# KiCad board berlin.kicad_pcb (continued)
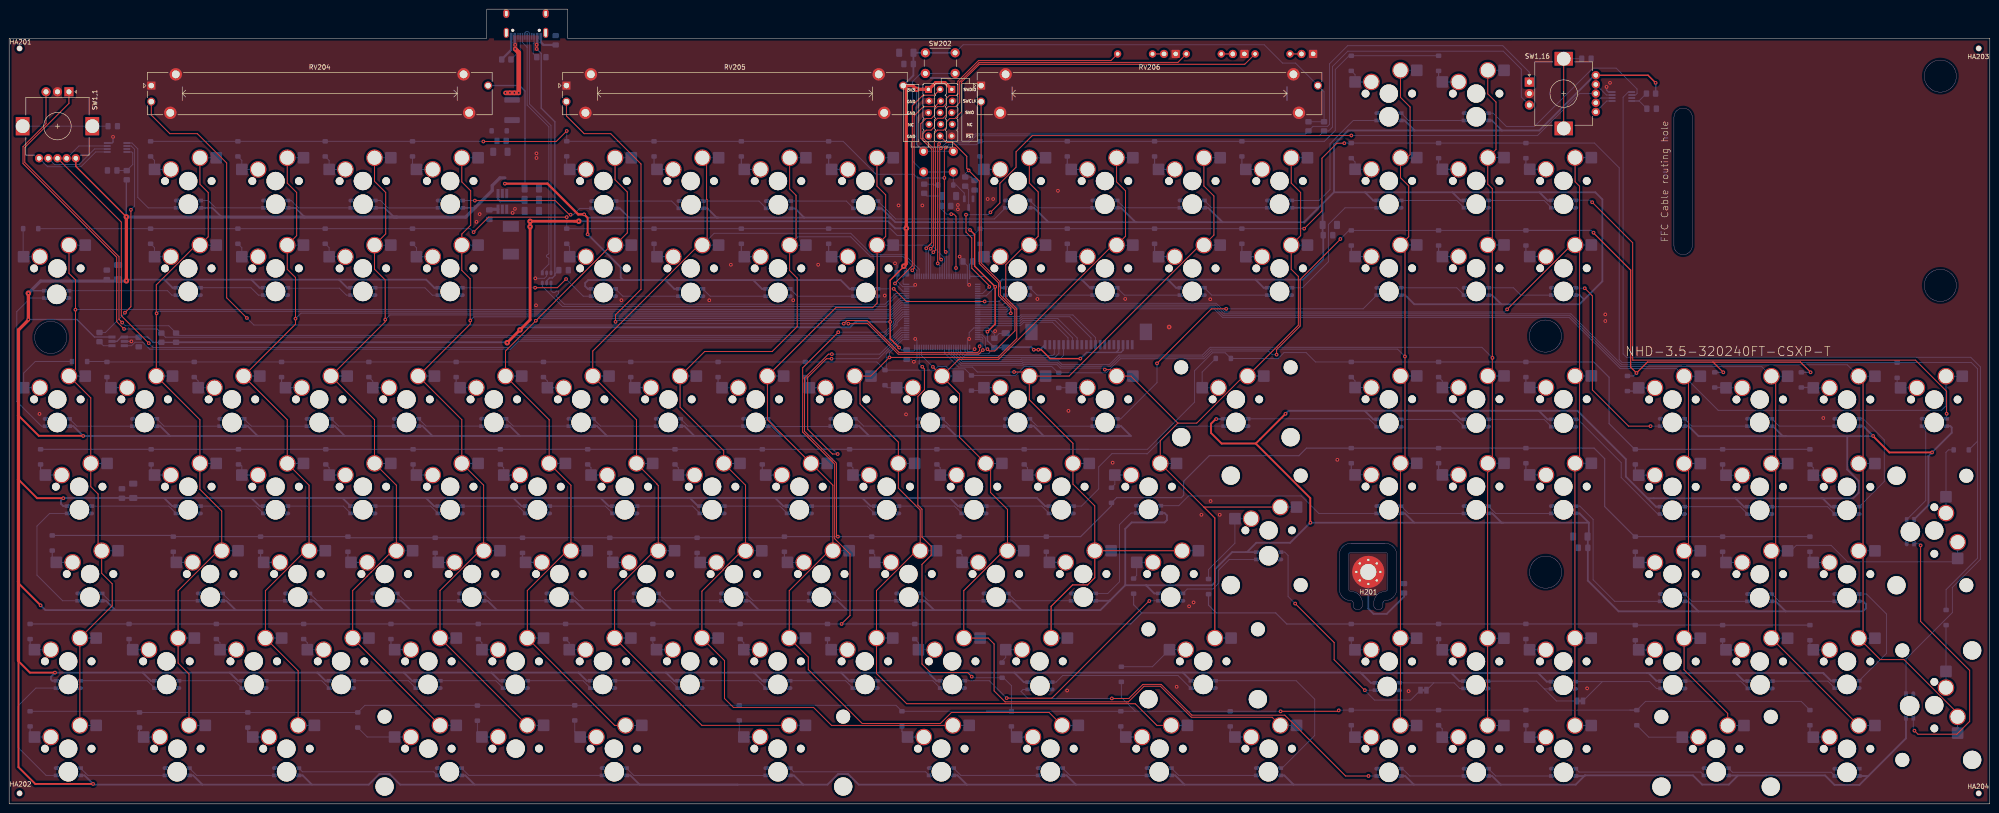
[diagram p0: board, top side]
## Placement (name value [footprint] x y rotation side) (continued)
R705  5.1k  [R_0805_2012Metric_Pad1.20x1.40mm_HandSolder]  116.13 162.89 180 bottom
R706  5.1k  [R_0805_2012Metric_Pad1.20x1.40mm_HandSolder]  108.48 162.38 180 bottom
R711  330k 1%  [R_0805_2012Metric_Pad1.20x1.40mm_HandSolder]  199.67 134.19 90 bottom
RV204  -  [Potentiometer_Bourns_PTA6043_Single_Slide]  31.01 156.69 0 top
RV205  -  [Potentiometer_Bourns_PTA6043_Single_Slide]  121.59 156.69 0 top
RV206  -  [Potentiometer_Bourns_PTA6043_Single_Slide]  212.08 156.69 0 top
SW1,1  RotaryEncoder_x15141-Switch_RGB  [RotaryEncoder_Switch_RGB]  13.04 155.33 270 top
SW1,2  MXSwitch  [MX100H]  39.08 135.86 180 bottom
SW1,3  MXSwitch  [MX100H]  58.13 135.86 180 bottom
SW1,4  MXSwitch  [MX100H]  77.18 135.86 180 bottom
SW1,5  MXSwitch  [MX100H]  96.23 135.86 180 bottom
SW1,6  MXSwitch  [MX100H]  129.67 135.86 180 bottom
SW1,7  MXSwitch  [MX100H]  148.72 135.86 180 bottom
SW1,8  MXSwitch  [MX100H]  167.77 135.86 180 bottom
SW1,9  MXSwitch  [MX100H]  186.82 135.86 180 bottom
SW1,10  MXSwitch  [MX100H]  220.06 135.86 180 bottom
SW1,11  MXSwitch  [MX100H]  239.11 135.86 180 bottom
SW1,12  MXSwitch  [MX100H]  258.16 135.86 180 bottom
SW1,13  MXSwitch  [MX100H]  277.21 135.86 180 bottom
SW1,14  MXSwitch  [MX100H]  301.05 154.94 180 bottom
SW1,15  MXSwitch  [MX100H]  320.1 154.94 180 bottom
SW1,16  RotaryEncoder_x15141-Switch_RGB  [RotaryEncoder_Switch_RGB]  331.71 157.44 0 top
SW2,1  MXSwitch  [MX100H]  10.51 116.81 180 bottom
SW2,2  MXSwitch  [MX100H]  39.08 116.81 180 bottom
SW2,3  MXSwitch  [MX100H]  58.13 116.81 180 bottom
SW2,4  MXSwitch  [MX100H]  77.18 116.81 180 bottom
SW2,5  MXSwitch  [MX100H]  96.24 116.81 180 bottom
SW2,6  MXSwitch  [MX100H]  129.67 116.81 180 bottom
SW2,7  MXSwitch  [MX100H]  148.72 116.81 180 bottom
SW2,8  MXSwitch  [MX100H]  167.77 116.81 180 bottom
SW2,9  MXSwitch  [MX100H]  186.82 116.81 180 bottom
SW2,10  MXSwitch  [MX100H]  220.06 116.81 180 bottom
SW2,11  MXSwitch  [MX100H]  239.11 116.81 180 bottom
SW2,12  MXSwitch  [MX100H]  258.16 116.81 180 bottom
SW2,13  MXSwitch  [MX100H]  277.21 116.81 180 bottom
SW2,14  MXSwitch  [MX100H]  301.05 135.89 180 bottom
SW2,15  MXSwitch  [MX100H]  320.1 135.89 180 bottom
SW2,16  MXSwitch  [MX100H]  339.15 135.89 180 bottom
SW2,17  MXSwitch  [MX100H]  420.08 88.2 180 bottom
SW2,18  MXSwitch  [MX200H]  420.08 59.63 90 bottom
SW2,19  2,19  [MX200HR]  420.08 21.53 90 bottom
SW3,1  MXSwitch  [MX100H]  10.51 88.23 180 bottom
SW3,2  MXSwitch  [MX100H]  29.56 88.23 180 bottom
SW3,3  MXSwitch  [MX100H]  48.61 88.23 180 bottom
SW3,4  MXSwitch  [MX100H]  67.66 88.23 180 bottom
SW3,5  MXSwitch  [MX100H]  86.71 88.23 180 bottom
SW3,6  MXSwitch  [MX100H]  105.76 88.23 180 bottom
SW3,7  MXSwitch  [MX100H]  124.81 88.23 180 bottom
SW3,8  MXSwitch  [MX100H]  143.86 88.23 180 bottom
SW3,9  MXSwitch  [MX100H]  162.91 88.23 180 bottom
SW3,10  MXSwitch  [MX100H]  181.96 88.23 180 bottom
SW3,11  MXSwitch  [MX100H]  201.01 88.23 180 bottom
SW3,12  MXSwitch  [MX100H]  220.06 88.23 180 bottom
SW3,13  MXSwitch  [MX100H]  239.11 88.23 180 bottom
SW3,14  MXSwitch  [MX100H]  301.05 116.84 180 bottom
SW3,15  MXSwitch  [MX100H]  320.1 116.84 180 bottom
SW3,16  MXSwitch  [MX100H]  339.15 116.84 180 bottom
SW3,17  MXSwitch  [MX100H]  362.93 88.2 180 bottom
SW3,18  MXSwitch  [MX100H]  381.98 88.2 180 bottom
SW3,19  MXSwitch  [MX100H]  401.03 88.2 180 bottom
SW4,1  MXSwitch  [MX150H]  15.27 69.18 180 bottom
SW4,2  MXSwitch  [MX100H]  39.08 69.18 180 bottom
SW4,3  MXSwitch  [MX100H]  58.13 69.18 180 bottom
SW4,4  MXSwitch  [MX100H]  77.18 69.18 180 bottom
SW4,5  MXSwitch  [MX100H]  96.23 69.18 180 bottom
SW4,6  MXSwitch  [MX100H]  115.28 69.18 180 bottom
SW4,7  MXSwitch  [MX100H]  134.33 69.18 180 bottom
SW4,8  MXSwitch  [MX100H]  153.38 69.18 180 bottom
SW4,9  MXSwitch  [MX100H]  172.43 69.18 180 bottom
SW4,10  MXSwitch  [MX100H]  191.48 69.18 180 bottom
SW4,11  MXSwitch  [MX100H]  210.53 69.18 180 bottom
SW4,12  MXSwitch  [MX100H]  229.58 69.18 180 bottom
SW4,13  MXSwitch  [MX200H]  267.68 88.23 180 bottom
SW4,14  MXSwitch  [MX100H]  301.05 88.26 180 bottom
SW4,15  MXSwitch  [MX100H]  320.1 88.26 180 bottom
SW4,16  MXSwitch  [MX100H]  339.15 88.26 180 bottom
SW4,17  MXSwitch  [MX100H]  362.93 69.15 180 bottom
SW4,18  MXSwitch  [MX100H]  381.98 69.15 180 bottom
SW4,19  MXSwitch  [MX100H]  401.03 69.15 180 bottom
SW5,1  MXSwitch  [MX175H]  17.65 50.13 180 bottom
SW5,2  MXSwitch  [MX100H]  43.85 50.13 180 bottom
SW5,3  MXSwitch  [MX100H]  62.9 50.13 180 bottom
SW5,4  MXSwitch  [MX100H]  81.95 50.13 180 bottom
SW5,5  MXSwitch  [MX100H]  101 50.13 180 bottom
SW5,6  MXSwitch  [MX100H]  120.05 50.13 180 bottom
SW5,7  MXSwitch  [MX100H]  139.1 50.13 180 bottom
SW5,8  MXSwitch  [MX100H]  158.14 50.11 180 bottom
SW5,9  MXSwitch  [MX100H]  177.2 50.13 180 bottom
SW5,10  MXSwitch  [MX100H]  196.25 50.13 180 bottom
SW5,11  MXSwitch  [MX100H]  215.3 50.13 180 bottom
SW5,12  MXSwitch  [MX100H]  234.35 50.13 180 bottom
SW5,13  MXSwitch  [MX100H]  248.63 69.18 180 bottom
SW5,14  MXSwitch  [MX100H]  301.05 69.21 180 bottom
SW5,15  MXSwitch  [MX100H]  320.1 69.21 180 bottom
SW5,16  MXSwitch  [MX100H]  339.15 69.21 180 bottom
SW5,17  MXSwitch  [MX100H]  362.93 50.1 180 bottom
SW5,18  MXSwitch  [MX100H]  381.98 50.1 180 bottom
SW5,19  MXSwitch  [MX100H]  401.03 50.1 180 bottom
SW6,1  MXSwitch  [MX125H]  12.89 31.08 180 bottom
SW6,2  MXSwitch  [MX100H]  34.32 31.08 180 bottom
SW6,3  MXSwitch  [MX100H]  53.37 31.08 180 bottom
SW6,4  MXSwitch  [MX100H]  72.42 31.08 180 bottom
SW6,5  MXSwitch  [MX100H]  91.47 31.08 180 bottom
SW6,6  MXSwitch  [MX100H]  110.52 31.08 180 bottom
SW6,7  MXSwitch  [MX100H]  129.57 31.08 180 bottom
SW6,8  MXSwitch  [MX100H]  148.62 31.08 180 bottom
SW6,9  MXSwitch  [MX100H]  167.67 31.08 180 bottom
SW6,10  MXSwitch  [MX100H]  186.72 31.08 180 bottom
SW6,11  MXSwitch  [MX100H]  205.77 31.08 180 bottom
SW6,12  MXSwitch  [MX100H]  253.4 50.13 180 bottom
SW6,13  MXSwitch  [MX_ISOEnterH]  274.83 59.66 180 bottom
SW6,14  MXSwitch  [MX100H]  301.03 31.05 180 bottom
SW6,15  MXSwitch  [MX100H]  320.07 31.05 180 bottom
SW6,16  MXSwitch  [MX100H]  339.12 31.06 180 bottom
SW6,17  MXSwitch  [MX100H]  362.93 31.05 180 bottom
SW6,18  MXSwitch  [MX100H]  381.98 31.05 180 bottom
SW6,19  MXSwitch  [MX100H]  401.03 31.05 180 bottom
SW7,1  MXSwitch  [MX125H]  12.89 12.03 180 bottom
SW7,2  MXSwitch  [MX125H]  36.7 12.03 180 bottom
SW7,3  MXSwitch  [MX125H]  60.52 12.03 180 bottom
SW7,4  MXSwitch  [MX100H]  91.47 12.04 180 bottom
SW7,5  MXSwitch  [MX100H]  110.53 12.05 180 bottom
SW7,6  MXSwitch  [MX625H]  131.95 12.03 180 bottom
SW7,7  MXSwitch  [MX100H]  167.67 12.04 180 bottom
SW7,8  MXSwitch  [MX125H]  203.39 12.03 180 bottom
SW7,9  MXSwitch  [MX125H]  227.2 12.03 180 bottom
SW7,10  MXSwitch  [MX125H]  251.02 12.03 180 bottom
SW7,11  MXSwitch  [MX125H]  274.83 12.03 180 bottom
SW7,12  MXSwitch  [MX100H]  224.82 31.08 180 bottom
SW7,13  MXSwitch  [MX275H]  260.54 31.08 180 bottom
SW7,14  MXSwitch  [MX100H]  301.02 12 180 bottom
SW7,15  MXSwitch  [MX100H]  320.07 12 180 bottom
SW7,16  MXSwitch  [MX100H]  339.12 12 180 bottom
SW7,17  MXSwitch  [MX200H]  372.46 12 180 bottom
SW7,18  MXSwitch  [MX100H]  401.03 12 180 bottom
SW201  SW_Push  [SW_PUSH_6mm_H5mm]  206.02 142.34 180 bottom
SW202  SW_Push  [SW_PUSH_6mm_H5mm]  199.92 163.84 0 top
U501  LQFP100  [STM32F072VBT6]  203.58 107.31 180 bottom
U502  SN74LVC1T45DCK  [SOT-23-6_Handsoldering]  23.78 100.89 180 bottom
U701  USBLC6-2SC6  [SOT-23-6]  117.28 114.72 270 bottom
U702  AP63203WU-7  [TSOT-23-6_HandSoldering]  107.62 131.42 270 bottom

## Footprints (pads in the part's own frame, mm; a bottom-side part is the same pattern mirrored in y, then rotated)
C_0805_2012Metric_Pad1.18x1.45mm_HandSolder
  rrect 1.175x1.45 smd: 1(-1.038,0) 2(1.038,0)
C_1206_3216Metric_Pad1.33x1.80mm_HandSolder
  rrect 1.325x1.8 smd: 1(-1.562,0) 2(1.562,0)
Conn_ARM_JTAG_SWD_10_DUAL_SIDE
  rect 1.524x1.524 hole 0.762: 1(-1.206,5.08) 1(3.869,5.08)
  oval 1.524x1.524 hole 0.762: 2(1.333,5.08) 3(-1.333,2.54) 3(3.743,2.54) 4(1.206,2.54) 5(-1.206,0) 5(3.869,0) 6(1.333,0) 7(-1.333,-2.54) 7(3.743,-2.54) 8(1.206,-2.54) 9(-1.206,-5.08) 9(3.869,-5.08) 10(1.333,-5.08)
D_SOD-123
  rrect 1x1.2 smd: 1(-1.65,0) 2(1.65,0)
Fuse_1812_4532Metric_Pad1.30x3.40mm_HandSolder
  rrect 1.3x3.4 smd: 1(-2.225,0) 2(2.225,0)
L_0805_2012Metric_Pad1.15x1.40mm_HandSolder
  rrect 1.15x1.4 smd: 1(-1.025,0) 2(1.025,0)
LED_THT_2.54mm
  round 0.889 smd: (-1.27,0) (1.27,0)
  round 1.778 hole 1.016: A(-1.27,0)
  rrect 1.778x1.778 hole 0.991: K(1.27,0)
MountingHole_3.5mm_Pad_Via
  round 0.8 hole 0.5: 1(-2.625,0) 1(-1.856,1.856) 1(-1.856,-1.856) 1(0,2.625) 1(0,-2.625) 1(1.856,1.856) 1(1.856,-1.856) 1(2.625,0)
  round 7 hole 3.5: 1001(0,0)
MX100H
  round 1.702 hole 1.702 unplated: (-5.08,0) (5.08,0)
  round 3.6 hole 3.048: (-2.54,5.08) (3.81,2.54)
  round 3.988 hole 3.988 unplated: (0,0)
  rrect 2.54x2.54 smd: 1(-6.096,5.08) 2(7.366,2.54)
MX125H
  round 1.702 hole 1.702 unplated: (-5.08,0) (5.08,0)
  round 3.6 hole 3.048: (-2.54,5.08) (3.81,2.54)
  round 3.988 hole 3.988 unplated: (0,0)
  rrect 2.54x2.54 smd: 1(-6.096,5.08) 2(7.366,2.54)
MX150H
  round 1.702 hole 1.702 unplated: (-5.08,0) (5.08,0)
  round 3.6 hole 3.048: (-2.54,5.08) (3.81,2.54)
  round 3.988 hole 3.988 unplated: (0,0)
  rrect 2.54x2.54 smd: 1(-6.096,5.08) 2(7.366,2.54)
MX175H
  round 1.702 hole 1.702 unplated: (-5.08,0) (5.08,0)
  round 3.6 hole 3.048: (-2.54,5.08) (3.81,2.54)
  round 3.988 hole 3.988 unplated: (0,0)
  rrect 2.54x2.54 smd: 1(-6.096,5.08) 2(7.366,2.54)
MX200H
  round 3.988 hole 3.988 unplated: (-11.938,-8.255) (0,0) (11.938,-8.255)
  round 3.048 hole 3.048 unplated: (-11.938,6.985) (11.938,6.985)
  round 1.702 hole 1.702 unplated: (-5.08,0) (5.08,0)
  round 3.6 hole 3.048: (-2.54,5.08) (3.81,2.54)
  rrect 2.54x2.54 smd: 1(-6.096,5.08) 2(7.366,2.54)
MX200HR
  round 3.048 hole 3.048 unplated: (-11.938,-6.985) (11.938,-6.985)
  round 3.988 hole 3.988 unplated: (-11.938,8.255) (0,0) (11.938,8.255)
  round 1.702 hole 1.702 unplated: (-5.08,0) (5.08,0)
  round 3.6 hole 3.048: (-2.54,5.08) (3.81,2.54)
  rrect 2.54x2.54 smd: 1(-6.096,5.08) 2(7.366,2.54)
MX275H
  round 3.988 hole 3.988 unplated: (-11.938,-8.255) (0,0) (11.938,-8.255)
  round 3.048 hole 3.048 unplated: (-11.938,6.985) (11.938,6.985)
  round 1.702 hole 1.702 unplated: (-5.08,0) (5.08,0)
  round 3.6 hole 3.048: (-2.54,5.08) (3.81,2.54)
  rrect 2.54x2.54 smd: 1(-6.096,5.08) 2(7.366,2.54)
MX625H
  round 3.988 hole 3.988 unplated: (-50.038,-8.255) (0,0) (50.038,-8.255)
  round 3.048 hole 3.048 unplated: (-50.038,6.985) (50.038,6.985)
  round 1.702 hole 1.702 unplated: (-5.08,0) (5.08,0)
  round 3.6 hole 3.048: (-2.54,5.08) (3.81,2.54)
  rrect 2.54x2.54 smd: 1(-6.096,5.08) 2(7.366,2.54)
MX_ISOEnterH
  round 3.048 hole 3.048 unplated: (-6.985,-11.938) (-6.985,11.938)
  round 1.702 hole 1.702 unplated: (-5.08,0) (5.08,0)
  round 3.6 hole 3.048: (-2.54,5.08) (3.81,2.54)
  round 3.988 hole 3.988 unplated: (0,0) (8.255,-11.938) (8.255,11.938)
  rrect 2.54x2.54 smd: 1(-6.096,5.08) 2(7.366,2.54)
Potentiometer_Bourns_PTA6043_Single_Slide
  rect 1.75x1.75 hole 1.2: 1(0,0)
  round 1.75 hole 1.2: 2(0,-3.5) 3(73.5,0)
  round 2.7 hole 1.7: MP(4.15,-5.95) MP(5.35,2.45) MP(68.15,2.45) MP(69.35,-5.95)
R_0805_2012Metric_Pad1.20x1.40mm_HandSolder
  rrect 1.2x1.4 smd: 1(-1,0) 2(1,0)
R_Axial_DIN0207_L6.3mm_D2.5mm_P7.62mm_Horizontal
  round 1.6 hole 0.8: 1(0,0)
  oval 1.6x1.6 hole 0.8: 2(7.62,0)
RotaryEncoder_Switch_RGB
  round 1.8 hole 1: +(14.5,1.5) B(14.5,-0.5) G(14.5,-4.5) R(14.5,-6.5) SW(14.5,-2.5)
  rect 2x2 hole 1.1: A(0,0)
  round 2 hole 1.1: B(0,-5) C(0,-2.5)
  rect 4x3 hole 3: MP(7.5,5.1) MP(7.5,-10.1)
SK6812MINI_3535_6028_3.2x2.8mm_Round
  round 4.25 hole 4.25 unplated: (0,0)
  custom 1.215x0.803 smd: 1(2.667,0.8) 2(2.642,-0.8) 4(-2.642,0.8)
  custom 1.225x0.85 smd: 3(-2.565,-0.8)
SolderJumper-2_P1.3mm_Bridged_Pad1.0x1.5mm
  rect 1x1.5 smd: 1(-0.65,0) 2(0.65,0)
SOT-23
  rrect 1.475x0.6 smd: 1(-0.938,0.95) 2(-0.938,-0.95) 3(0.938,0)
SOT-23-6
  rect 1.06x0.65 smd: 1(-1.1,0.95)
  rrect 1.06x0.65 smd: 2(-1.1,0) 3(-1.1,-0.95) 4(1.1,-0.95) 5(1.1,0) 6(1.1,0.95)
SOT-23-6_Handsoldering
  rect 1.56x0.65 smd: 1(-1.35,0.95) 2(-1.35,0) 3(-1.35,-0.95) 4(1.35,-0.95) 5(1.35,0) 6(1.35,0.95)
STM32F072VBT6
  rect 1.194x0.305 smd: 1(-7.75,6) 2(-7.75,5.5) 3(-7.75,5) 4(-7.75,4.5) 5(-7.75,4) 6(-7.75,3.5) 7(-7.75,3) 8(-7.75,2.5) 9(-7.75,2) 10(-7.75,1.5) 11(-7.75,1) 12(-7.75,0.5) 13(-7.75,0) 14(-7.75,-0.5) 15(-7.75,-1) 16(-7.75,-1.5) 17(-7.75,-2) 18(-7.75,-2.5) 19(-7.75,-3) 20(-7.75,-3.5) 21(-7.75,-4) 22(-7.75,-4.5) 23(-7.75,-5) 24(-7.75,-5.5) 25(-7.75,-6) 51(7.75,-6) 52(7.75,-5.5) 53(7.75,-5) 54(7.75,-4.5) 55(7.75,-4) 56(7.75,-3.5) 57(7.75,-3) 58(7.75,-2.5) 59(7.75,-2) 60(7.75,-1.5) 61(7.75,-1) 62(7.75,-0.5) 63(7.75,0) 64(7.75,0.5) 65(7.75,1) 66(7.75,1.5) 67(7.75,2) 68(7.75,2.5) 69(7.75,3) 70(7.75,3.5) 71(7.75,4) 72(7.75,4.5) 73(7.75,5) 74(7.75,5.5) 75(7.75,6)
  rect 0.305x1.194 smd: 26(-6,-7.75) 27(-5.5,-7.75) 28(-5,-7.75) 29(-4.5,-7.75) 30(-4,-7.75) 31(-3.5,-7.75) 32(-3,-7.75) 33(-2.5,-7.75) 34(-2,-7.75) 35(-1.5,-7.75) 36(-1,-7.75) 37(-0.5,-7.75) 38(0,-7.75) 39(0.5,-7.75) 40(1,-7.75) 41(1.5,-7.75) 42(2,-7.75) 43(2.5,-7.75) 44(3,-7.75) 45(3.5,-7.75) 46(4,-7.75) 47(4.5,-7.75) 48(5,-7.75) 49(5.5,-7.75) 50(6,-7.75) 76(6,7.75) 77(5.5,7.75) 78(5,7.75) 79(4.5,7.75) 80(4,7.75) 81(3.5,7.75) 82(3,7.75) 83(2.5,7.75) 84(2,7.75) 85(1.5,7.75) 86(1,7.75) 87(0.5,7.75) 88(0,7.75) 89(-0.5,7.75) 90(-1,7.75) 91(-1.5,7.75) 92(-2,7.75) 93(-2.5,7.75) 94(-3,7.75) 95(-3.5,7.75) 96(-4,7.75) 97(-4.5,7.75) 98(-5,7.75) 99(-5.5,7.75) 100(-6,7.75)
Sumida0624CDMCC
  rect 2.35x3.5 smd: 1(-3.025,0) 2(3.025,0)
SW_PUSH_6mm_H5mm
  round 2 hole 1.1: 1(0,0) 1(6.5,0) 2(0,-4.5) 2(6.5,-4.5)
TE_2-84953-0_1x20-1MP_P1.0mm_Horizontal
  rect 0.61x2 smd: 1(-9.5,1.8) 2(-8.5,1.8) 3(-7.5,1.8) 4(-6.5,1.8) 5(-5.5,1.8) 6(-4.5,1.8) 7(-3.5,1.8) 8(-2.5,1.8) 9(-1.5,1.8) 10(-0.5,1.8) 11(0.5,1.8) 12(1.5,1.8) 13(2.5,1.8) 14(3.5,1.8) 15(4.5,1.8) 16(5.5,1.8) 17(6.5,1.8) 18(7.5,1.8) 19(8.5,1.8) 20(9.5,1.8)
  rect 2.68x3.6 smd: MP(-12.49,-1) MP(12.49,-1)
ToolingHole_1.152mm_(for_JLCPCB_SMT)
  round 1.3 hole 1.152 unplated: (0,0)
TSOT-23-6_HandSoldering
  rect 2x0.65 smd: 1(-1.71,0.95) 2(-1.71,0) 3(-1.71,-0.95) 4(1.71,-0.95) 5(1.71,0) 6(1.71,0.95)
TYPE-C-31-M-12
  round 0.65 hole 0.65 unplated: (-2.89,-2.051) (2.89,-2.051)
  rrect 0.6x1.45 smd: A1(-3.25,-0.725) A4(-2.45,-0.725) B1(3.25,-0.725) B4(2.45,-0.725)
  rrect 0.3x1.45 smd: A5(-1.25,-0.725) A6(-0.254,-0.725) A7(0.25,-0.725) A8(1.25,-0.725) B5(1.75,-0.725) B6(0.75,-0.725) B7(-0.75,-0.725) B8(-1.75,-0.725)
  oval 1.3x1.9 hole 0.6x1.2: S(-4.3,-5.7) S(4.3,-5.7)
  oval 1.1x2.2 hole 0.6x1.7: S(-4.3,-1.5) S(4.3,-1.5)
WS2811S
  rect 1.487x0.431 smd: 1(-2.134,0.975) 2(-2.134,0.325) 3(-2.134,-0.325) 4(-2.134,-0.975) 5(2.134,-0.975) 6(2.134,-0.325) 7(2.134,0.325) 8(2.134,0.975)

## Nets
+3V3: C704.1 C705.1 C706.1 C707.1 C708.1 C709.1 C710.1 C712.2 C717.1 C718.1 C719.1 J202.1 J203.1 J203.17 J203.18 L701.2 R302.2 R303.2 R304.2 R305.2 RV204.3 RV205.3 RV206.3 SW201.1 SW202.1 U501.6 U501.21 U501.28 U501.50 U501.75 U501.100 U502.1 U502.5 U702.1
+5V: C701.1 C720.1 C721.1 C722.1 C723.1 C724.1 C725.1 C726.1 C727.1 D701.1 F701.1 LED1,2.1 LED1,3.1 LED1,4.1 LED1,5.1 LED1,6.1 LED1,7.1 LED1,8.1 LED1,9.1 LED1,10.1 LED1,11.1 LED1,12.1 LED1,13.1 LED1,14.1 LED1,15.1 LED2,1.1 LED2,2.1 LED2,3.1 LED2,4.1 LED2,5.1 LED2,6.1 LED2,7.1 LED2,8.1 LED2,9.1 LED2,10.1 LED2,11.1 LED2,12.1 LED2,13.1 LED2,14.1 LED2,15.1 LED2,16.1 LED2,17.1 LED2,18.1 LED2,19.1 LED3,1.1 LED3,2.1 LED3,3.1 LED3,4.1 LED3,5.1 LED3,6.1 LED3,7.1 LED3,8.1 LED3,9.1 LED3,10.1 LED3,11.1 LED3,12.1 LED3,13.1 LED3,14.1 LED3,15.1 LED3,16.1 LED3,17.1 LED3,18.1 LED3,19.1 LED4,1.1 LED4,2.1 LED4,3.1 LED4,4.1 LED4,5.1 LED4,6.1 LED4,7.1 LED4,8.1 LED4,9.1 LED4,10.1 LED4,11.1 LED4,12.1 LED4,13.1 LED4,14.1 LED4,15.1 LED4,16.1 LED4,17.1 LED4,18.1 LED4,19.1 LED5,1.1 LED5,2.1 LED5,3.1 LED5,4.1 LED5,5.1 LED5,6.1 LED5,7.1 LED5,8.1 LED5,9.1 LED5,10.1 LED5,11.1 LED5,12.1 LED5,13.1 LED5,14.1 LED5,15.1 LED5,16.1 LED5,17.1 LED5,18.1 LED5,19.1 LED6,1.1 LED6,2.1 LED6,3.1 LED6,4.1 LED6,5.1 LED6,6.1 LED6,7.1 LED6,8.1 LED6,9.1 LED6,10.1 LED6,11.1 LED6,12.1 LED6,13.1 LED6,14.1 LED6,15.1 LED6,16.1 LED6,17.1 LED6,18.1 LED6,19.1 LED7,1.1 LED7,2.1 LED7,3.1 LED7,5.1 LED7,6.1 LED7,7.1 LED7,8.1 LED7,9.1 LED7,10.1 LED7,11.1 LED7,12.1 LED7,13.1 LED7,14.1 LED7,15.1 LED7,16.1 LED7,17.1 LED7,18.1 R101.1 R102.1 R701.2 SW1,1.+ SW1,16.+ U502.6 U702.2 U702.3
GND: C101.2 C102.2 C701.2 C704.2 C705.2 C706.2 C707.2 C708.2 C709.2 C710.2 C711.2 C712.1 C714.2 C715.2 C717.2 C718.2 C719.2 C720.2 C721.2 C722.2 C723.2 C724.2 C725.2 C726.2 C727.2 D701.2 J201.A1 J201.B1 J202.3 J202.5 J202.9 J203.2 J203.19 J203.20 L1.1 L2.1 L702.2 L711.1 LED1,1.4 LED1,2.3 LED1,3.3 LED1,4.3 LED1,5.3 LED1,6.3 LED1,7.3 LED1,8.3 LED1,9.3 LED1,10.3 LED1,11.3 LED1,12.3 LED1,13.3 LED1,14.3 LED1,15.3 LED1,16.4 LED2,1.3 LED2,2.3 LED2,3.3 LED2,4.3 LED2,5.3 LED2,6.3 LED2,7.3 LED2,8.3 LED2,9.3 LED2,10.3 LED2,11.3 LED2,12.3 LED2,13.3 LED2,14.3 LED2,15.3 LED2,16.3 LED2,17.3 LED2,18.3 LED2,19.3 LED3,1.3 LED3,2.3 LED3,3.3 LED3,4.3 LED3,5.3 LED3,6.3 LED3,7.3 LED3,8.3 LED3,9.3 LED3,10.3 LED3,11.3 LED3,12.3 LED3,13.3 LED3,14.3 LED3,15.3 LED3,16.3 LED3,17.3 LED3,18.3 LED3,19.3 LED4,1.3 LED4,2.3 LED4,3.3 LED4,4.3 LED4,5.3 LED4,6.3 LED4,7.3 LED4,8.3 LED4,9.3 LED4,10.3 LED4,11.3 LED4,12.3 LED4,13.3 LED4,14.3 LED4,15.3 LED4,16.3 LED4,17.3 LED4,18.3 LED4,19.3 LED5,1.3 LED5,2.3 LED5,3.3 LED5,4.3 LED5,5.3 LED5,6.3 LED5,7.3 LED5,8.3 LED5,9.3 LED5,10.3 LED5,11.3 LED5,12.3 LED5,13.3 LED5,14.3 LED5,15.3 LED5,16.3 LED5,17.3 LED5,18.3 LED5,19.3 LED6,1.3 LED6,2.3 LED6,3.3 LED6,4.3 LED6,5.3 LED6,6.3 LED6,7.3 LED6,8.3 LED6,9.3 LED6,10.3 LED6,11.3 LED6,12.3 LED6,13.3 LED6,14.3 LED6,15.3 LED6,16.3 LED6,17.3 LED6,18.3 LED6,19.3 LED7,1.3 LED7,2.3 LED7,3.3 LED7,5.3 LED7,6.3 LED7,7.3 LED7,8.3 LED7,9.3 LED7,10.3 LED7,11.3 LED7,12.3 LED7,13.3 LED7,14.3 LED7,15.3 LED7,16.3 LED7,17.3 LED7,18.3 LED201.K LED202.K LED203.K Q701.2 R701.1 R702.1 R705.1 R706.2 RV204.1 RV204.MP RV205.1 RV205.MP RV206.1 RV206.MP SW1,1.C SW1,16.C U501.20 U501.27 U501.49 U501.74 U501.99 U502.2 U701.2 U702.4
PV1: RV204.2 U501.25
PV2: RV205.2 U501.24
PV3: RV206.2 U501.23
VBUS: C714.1 F701.2 J201.A4 J201.B4 U701.5
/C101-Pad1: C101.1 LED1,1.8 R101.2
/C102-Pad1: C102.1 LED1,16.8 R102.2
BOOT0: C715.1 R702.2 R711.1 U501.94
BST: C703.1 U702.6
CC1: J201.A5 R706.1
CC2: J201.B5 R705.2
Chassis: H201.1 H201.1001 L711.2
Col1: SW2,1. SW2,1.1 SW3,1. SW3,1.1 SW4,1. SW4,1.1 SW5,1. SW5,1.1 SW6,1. SW6,1.1 SW7,1. SW7,1.1 U501.69
Col2: SW1,2. SW1,2.1 SW2,2. SW2,2.1 SW3,2. SW3,2.1 SW4,2. SW4,2.1 SW5,2. SW5,2.1 SW6,2. SW6,2.1 SW7,2. SW7,2.1 U501.68
Col3: SW1,3. SW1,3.1 SW2,3. SW2,3.1 SW3,3. SW3,3.1 SW4,3. SW4,3.1 SW5,3. SW5,3.1 SW6,3. SW6,3.1 SW7,3. SW7,3.1 U501.67
Col4: SW1,4. SW1,4.1 SW2,4. SW2,4.1 SW3,4. SW3,4.1 SW4,4. SW4,4.1 SW5,4. SW5,4.1 SW6,4. SW6,4.1 SW7,4. SW7,4.1 U501.66
Col5: SW1,5. SW1,5.1 SW2,5. SW2,5.1 SW3,5. SW3,5.1 SW4,5. SW4,5.1 SW5,5. SW5,5.1 SW6,5. SW6,5.1 SW7,5. SW7,5.1 U501.65
Col6: SW1,6. SW1,6.1 SW2,6. SW2,6.1 SW3,6. SW3,6.1 SW4,6. SW4,6.1 SW5,6. SW5,6.1 SW6,6. SW6,6.1 SW7,6. SW7,6.1 U501.64
Col7: SW1,7. SW1,7.1 SW2,7. SW2,7.1 SW3,7. SW3,7.1 SW4,7. SW4,7.1 SW5,7. SW5,7.1 SW6,7. SW6,7.1 SW7,7. SW7,7.1 U501.78
Col8: SW1,8. SW1,8.1 SW2,8. SW2,8.1 SW3,8. SW3,8.1 SW4,8. SW4,8.1 SW5,8. SW5,8.1 SW6,8. SW6,8.1 SW7,8. SW7,8.1 U501.77
Col9: SW1,9. SW1,9.1 SW2,9. SW2,9.1 SW3,9. SW3,9.1 SW4,9. SW4,9.1 SW5,9. SW5,9.1 SW6,9. SW6,9.1 SW7,9. SW7,9.1 U501.89
Col10: SW1,10. SW1,10.1 SW2,10. SW2,10.1 SW3,10. SW3,10.1 SW4,10. SW4,10.1 SW5,10. SW5,10.1 SW6,10. SW6,10.1 SW7,10. SW7,10.1 U501.51
Col11: SW1,11. SW1,11.1 SW2,11. SW2,11.1 SW3,11. SW3,11.1 SW4,11. SW4,11.1 SW5,11. SW5,11.1 SW6,11. SW6,11.1 SW7,11. SW7,11.1 U501.47
Col12: SW1,12. SW1,12.1 SW2,12. SW2,12.1 SW3,12. SW3,12.1 SW4,12. SW4,12.1 SW5,12. SW5,12.1 SW6,12. SW6,12.1 SW7,12. SW7,12.1 U501.37
Col13: SW1,13. SW1,13.1 SW2,13. SW2,13.1 SW3,13. SW3,13.1 SW4,13. SW4,13.1 SW5,13. SW5,13.1 SW6,13. SW6,13.1 SW7,13. SW7,13.1 U501.35
Col14: SW1,14. SW1,14.1 SW2,14. SW2,14.1 SW3,14. SW3,14.1 SW4,14. SW4,14.1 SW5,14. SW5,14.1 SW6,14. SW6,14.1 SW7,14. SW7,14.1 U501.34
Col15: SW1,15. SW1,15.1 SW2,15. SW2,15.1 SW3,15. SW3,15.1 SW4,15. SW4,15.1 SW5,15. SW5,15.1 SW6,15. SW6,15.1 SW7,15. SW7,15.1 U501.33
Col16: SW2,16. SW2,16.1 SW3,16. SW3,16.1 SW4,16. SW4,16.1 SW5,16. SW5,16.1 SW6,16. SW6,16.1 SW7,16. SW7,16.1 U501.10
Col17: SW2,17. SW2,17.1 SW3,17. SW3,17.1 SW4,17. SW4,17.1 SW5,17. SW5,17.1 SW6,17. SW6,17.1 SW7,17. SW7,17.1 U501.13
Col18: SW2,18. SW2,18.1 SW3,18. SW3,18.1 SW4,18. SW4,18.1 SW5,18. SW5,18.1 SW6,18. SW6,18.1 SW7,18. SW7,18.1 U501.12
Col19: SW2,19. SW2,19.1 SW3,19. SW3,19.1 SW4,19. SW4,19.1 SW5,19. SW5,19.1 SW6,19. SW6,19.1 U501.11
D+: U501.71 U701.4
D-: U501.70 U701.6
Dbus+: J201.A6 J201.B6 U701.3
Dbus-: J201.A7 J201.B7 U701.1
Interrupt1,1: SW1,1.SW U501.56
Interrupt1,16: SW1,16.SW U501.5
LCD-CS: J203.6 U501.19
LCD-INT: J203.7 U501.18
LCD-PD: J203.8 U501.17
LCD-SPI2: J203.11 U501.16
LCD-SPI3: J203.12 U501.15
NRST: C711.1 J202.10 R703.1 U501.14
RGBLED: U501.55 U502.3
Row1: D8.1 D15.1 D22.1 D28.1 D34.1 D41.1 D47.1 D54.1 D61.1 D68.1 D75.1 D82.1 D89.1 D95.1 U501.90
Row2: D2.1 D9.1 D16.1 D23.1 D29.1 D35.1 D42.1 D48.1 D55.1 D62.1 D69.1 D76.1 D83.1 D90.1 D96.1 D103.1 D108.1 D114.1 D120.1 U501.91
Row3: D3.1 D10.1 D17.1 D24.1 D30.1 D36.1 D43.1 D49.1 D56.1 D63.1 D70.1 D77.1 D84.1 D91.1 D97.1 D104.1 D109.1 D115.1 D121.1 U501.52
Row4: D4.1 D11.1 D18.1 D25.1 D31.1 D37.1 D44.1 D50.1 D57.1 D64.1 D71.1 D78.1 D85.1 D92.1 D98.1 D105.1 D110.1 D116.1 D122.1 U501.53
Row5: D5.1 D12.1 D19.1 D26.1 D32.1 D38.1 D45.1 D51.1 D58.1 D65.1 D72.1 D79.1 D86.1 D93.1 D99.1 D106.1 D111.1 D117.1 D123.1 U501.54
Row6: D6.1 D13.1 D20.1 D27.1 D33.1 D39.1 D46.1 D52.1 D59.1 D66.1 D73.1 D80.1 D87.1 D100.1 D112.1 D118.1 D124.1 D128.1 D129.1 U501.63
Row7: D7.1 D14.1 D21.1 D40.1 D53.1 D60.1 D67.1 D74.1 D81.1 D88.1 D94.1 D101.1 D107.1 D113.1 D119.1 D125.1 D126.1 D127.1 U501.48
S: J201.S L702.1
SBU1: J201.A8
SBU2: J201.B8
SW: C703.2 L701.1 U702.5
SWCLK: J202.4 U501.76
SWDIO: J202.2 U501.72

Pads without a net: D2 2; D3 2; D4 2; D5 2; D6 2; D7 2; D8 2; D9 2; D10 2; D11 2; D12 2; D13 2; D14 2; D15 2; D16 2; D17 2; D18 2; D19 2; D20 2; D21 2; D22 2; D23 2; D24 2; D25 2; D26 2; D27 2; D28 2; D29 2; D30 2; D31 2; D32 2; D33 2; D34 2; D35 2; D36 2; D37 2; D38 2; D39 2; D40 2; D41 2; D42 2; D43 2; D44 2; D45 2; D46 2; D47 2; D48 2; D49 2; D50 2; D51 2; D52 2; D53 2; D54 2; D55 2; D56 2; D57 2; D58 2; D59 2; D60 2; D61 2; D62 2; D63 2; D64 2; D65 2; D66 2; D67 2; D68 2; D69 2; D70 2; D71 2; D72 2; D73 2; D74 2; D75 2; D76 2; D77 2; D78 2; D79 2; D80 2; D81 2; D82 2; D83 2; D84 2; D85 2; D86 2; D87 2; D88 2; D89 2; D90 2; D91 2; D92 2; D93 2; D94 2; D95 2; D96 2; D97 2; D98 2; D99 2; D100 2; D101 2; D103 2; D104 2; D105 2; D106 2; D107 2; D108 2; D109 2; D110 2; D111 2; D112 2; D113 2; D114 2; D115 2; D116 2; D117 2; D118 2; D119 2; D120 2; D121 2; D122 2; D123 2; D124 2; D125 2; D126 2; D127 2; D128 2; D129 2; D703 1 2; J202 6 7 8; J203 3 4 5 9 10 13 14 15 16 MP; JMP6,14 1 2; JMP6,16 1 2; L1 2; L2 2; LED1,1 1 2 3 5 6 7; LED1,2 2 4; LED1,3 2 4; LED1,4 2 4; LED1,5 2 4; LED1,6 2 4; LED1,7 2 4; LED1,8 2 4; LED1,9 2 4; LED1,10 2 4; LED1,11 2 4; LED1,12 2 4; LED1,13 2 4; LED1,14 2 4; LED1,15 2 4; LED1,16 1 2 3 5 6 7; LED2,1 2 4; LED2,2 2 4; LED2,3 2 4; LED2,4 2 4; LED2,5 2 4; LED2,6 2 4; LED2,7 2 4; LED2,8 2 4; LED2,9 2 4; LED2,10 2 4; LED2,11 2 4; LED2,12 2 4; LED2,13 2 4; LED2,14 2 4; LED2,15 2 4; LED2,16 2 4; LED2,17 2 4; LED2,18 2 4; LED2,19 2 4; LED3,1 2 4; LED3,2 2 4; LED3,3 2 4; LED3,4 2 4; LED3,5 2 4; LED3,6 2 4; LED3,7 2 4; LED3,8 2 4; LED3,9 2 4; LED3,10 2 4; LED3,11 2 4; LED3,12 2 4; LED3,13 2 4; LED3,14 2 4; LED3,15 2 4; LED3,16 2 4; LED3,17 2 4; LED3,18 2 4; LED3,19 2 4; LED4,1 2 4; LED4,2 2 4; LED4,3 2 4; LED4,4 2 4; LED4,5 2 4; LED4,6 2 4; LED4,7 2 4; LED4,8 2 4; LED4,9 2 4; LED4,10 2 4; LED4,11 2 4; LED4,12 2 4; LED4,13 2 4; LED4,14 2 4; LED4,15 2 4; LED4,16 2 4; LED4,17 2 4; LED4,18 2 4; LED4,19 2 4; LED5,1 2 4; LED5,2 2 4; LED5,3 2 4; LED5,4 2 4; LED5,5 2 4; LED5,6 2 4; LED5,7 2 4; LED5,8 2 4; LED5,9 2 4; LED5,10 2 4; LED5,11 2 4; LED5,12 2 4; LED5,13 2 4; LED5,14 2 4; LED5,15 2 4; LED5,16 2 4; LED5,17 2 4; LED5,18 2 4; LED5,19 2 4; LED6,1 2 4; LED6,2 2 4; LED6,3 2 4; LED6,4 2 4; LED6,5 2 4; LED6,6 2 4; LED6,7 2 4; LED6,8 2 4; LED6,9 2 4; LED6,10 2 4; LED6,11 2 4; LED6,12 2 4; LED6,13 2 4; LED6,14 2 4; LED6,15 2 4; LED6,16 2 4; LED6,17 2 4; LED6,18 2 4; LED6,19 2 4; LED7,1 2 4; LED7,2 2 4; LED7,3 2 4; LED7,5 2 4; LED7,6 2 4; LED7,7 2 4; LED7,8 2 4; LED7,9 2 4; LED7,10 2 4; LED7,11 2 4; LED7,12 2 4; LED7,13 2 4; LED7,14 2 4; LED7,15 2 4; LED7,16 2 4; LED7,17 2 4; LED7,18 2 4; LED201 A; LED202 A; LED203 A; Q701 1 3; R301 1 2; R302 1; R303 1; R304 1; R305 1; R306 1 2; R307 1 2; R308 1 2; R703 2; R711 2; SW1,1 A B G MP R; SW1,2 2; SW1,3 2; SW1,4 2; SW1,5 2; SW1,6 2; SW1,7 2; SW1,8 2; SW1,9 2; SW1,10 2; SW1,11 2; SW1,12 2; SW1,13 2; SW1,14 2; SW1,15 2; SW1,16 A B G MP R; SW2,1 2; SW2,2 2; SW2,3 2; SW2,4 2; SW2,5 2; SW2,6 2; SW2,7 2; SW2,8 2; SW2,9 2; SW2,10 2; SW2,11 2; SW2,12 2; SW2,13 2; SW2,14 2; SW2,15 2; SW2,16 2; SW2,17 2; SW2,18 2; SW2,19 2; SW3,1 2; SW3,2 2; SW3,3 2; SW3,4 2; SW3,5 2; SW3,6 2; SW3,7 2; SW3,8 2; SW3,9 2; SW3,10 2; SW3,11 2; SW3,12 2; SW3,13 2; SW3,14 2; SW3,15 2; SW3,16 2; SW3,17 2; SW3,18 2; SW3,19 2; SW4,1 2; SW4,2 2; SW4,3 2; SW4,4 2; SW4,5 2; SW4,6 2; SW4,7 2; SW4,8 2; SW4,9 2; SW4,10 2; SW4,11 2; SW4,12 2; SW4,13 2; SW4,14 2; SW4,15 2; SW4,16 2; SW4,17 2; SW4,18 2; SW4,19 2; SW5,1 2; SW5,2 2; SW5,3 2; SW5,4 2; SW5,5 2; SW5,6 2; SW5,7 2; SW5,8 2; SW5,9 2; SW5,10 2; SW5,11 2; SW5,12 2; SW5,13 2; SW5,14 2; SW5,15 2; SW5,16 2; SW5,17 2; SW5,18 2; SW5,19 2; SW6,1 2; SW6,2 2; SW6,3 2; SW6,4 2; SW6,5 2; SW6,6 2; SW6,7 2; SW6,8 2; SW6,9 2; SW6,10 2; SW6,11 2; SW6,12 2; SW6,13 2; SW6,14 2; SW6,15 2; SW6,16 2; SW6,17 2; SW6,18 2; SW6,19 2; SW7,1 2; SW7,2 2; SW7,3 2; SW7,4 2; SW7,5 2; SW7,6 2; SW7,7 2; SW7,8 2; SW7,9 2; SW7,10 2; SW7,11 2; SW7,12 2; SW7,13 2; SW7,14 2; SW7,15 2; SW7,16 2; SW7,17 2; SW7,18 2; SW201 2; SW202 2; U501 1 2 3 4 7 8 9 22 26 29 30 31 32 36 38 39 40 41 42 43 44 45 46 57 58 59 60 61 62 73 79 80 81 82 83 84 85 86 87 88 92 93 95 96 97 98; U502 4

## Via types
v1: diameter 0.8, hole 0.4, Top to Bottom, 172 vias
v2: diameter 1, hole 0.4, Top to Bottom, 1 via
v3: diameter 1.2, hole 0.4, Top to Bottom, 11 vias

## Routing (per net, layer and track width the routed paths; a pad name or vN(x,y) marks a point on that pad's centre or on a via; arc(x,y) is an arc through that point)
+3V3: length 636.1
  Top w0.3: v1(223.58,99.07) v1(224.57,99.07) 225.21,99.07 227.16,97.12 v1(233.74,97.12) ; v3(195.22,117.29) 195.22,117.19 192.24,114.22 v1(192.24,105.14) 192.24,101.51 v1(194.21,99.54) ; 195.74,126.07 195.77,126.05 v3(195.77,125.54) ; v1(213.47,102.99) 215.15,104.67 215.15,112.77 v1(215.17,112.79) 210.67,117.29 210.67,124.19 v1(209.67,125.19) ; 124.29,127.09 v3(124.3,127.1)
  Top w0.4: v3(113.67,127.06) 113.69,127.09
  Top w0.6: v3(108.67,100.59) v3(111.47,103.39) 113.67,105.59 v3(113.67,125.89) v3(113.67,127.06) ; 113.69,127.09 124.29,127.09
  Top w0.7: 195.74,126.07 195.74,117.82 v3(195.22,117.29) ; J202.1 204.2,157.33 202.17,157.33 200.71,155.87 198.03,155.87 v3(198.02,155.85) 197.18,156.69 RV205.3 195.77,156.02 v3(195.77,125.54)
  Bottom w0.2: SW202.1 208.17,165.59 273.87,165.59 277.87,161.59 280.68,161.59 RV206.3 286.92,155.36 R305.2 R304.2 ; U501.6 213.19,110.82 v1(215.17,112.79) ; U501.28 208.58,98.65 208.96,98.27 213.76,98.27 214.99,99.49 ; 195.83,113.32 195.19,113.32 195.07,113.44 195.07,115 195.79,115.72 ; 210.19,118.31 209.58,117.7 U501.100 209.58,115.06 ; v1(194.21,99.54) 194.73,99.02 195.83,99.02 196.06,98.79 197.37,98.79 197.58,99 197.58,99.56 ; U501.21 213.14,103.31 v1(213.47,102.99) ; SW201.1 SW201.1
  Bottom w0.3: 241.56,98.47 242.06,98.97 J203.17 ; 241.56,98.47 235.09,98.47 v1(233.74,97.12) ; 241.56,98.47 242.59,98.47 243.06,98.94 J203.18 ; SW201.1 198.02,143.84 v3(198.02,155.85) ; v1(209.67,125.19) 209.32,125.54 v3(195.77,125.54) ; U502.5 23.51,100.89 24.46,101.84 U502.1 30.22,101.84 31.39,100.66 36.47,100.66 ; RV204.3 111.37,156.69 112.56,155.5 112.56,134.24 ; 195.79,115.72 195.79,116.71 v3(195.22,117.29) ; v1(215.17,112.79) 212.89,115.06 209.58,115.06 ; v1(213.47,102.99) 213.47,101.01 214.99,99.49 217.32,99.49 217.45,99.62
  Bottom w0.4: J203.1 224.97,99.07 v1(224.57,99.07) ; v3(195.77,125.54) 193.32,125.54 191.77,127.09 124.31,127.09 v3(124.3,127.1) ; v3(108.67,100.59) 108.57,100.69 36.49,100.69 36.47,100.66 ; v3(111.47,103.39) 112.03,103.95 183.48,103.95 184.67,105.14 v1(192.24,105.14) ; RV205.3 197.3,158.9 C719.1 197.3,163.82 C718.1 199.91,163.85 SW202.1 SW202.1 ; 217.45,99.62 223.02,99.62 v1(223.58,99.07)
  Bottom w0.5: 112.56,131.74 112.29,131.47 107.13,131.47 106.67,131.93 U702.1
